# Altium PCB R2C2_Mini-ASCII.PcbDoc (part 3 of 3)
Units mm, origin at the board's own origin, x right, y up, seen from the top; angles counter-clockwise.
Board outline 100 x 100 mm, 4 copper layers (Top Layer, Mid-Layer 1, Mid-Layer 2, Bottom Layer), stack 1.572 mm thick; 230 components, 186 nets, 773 pads, 549 vias.
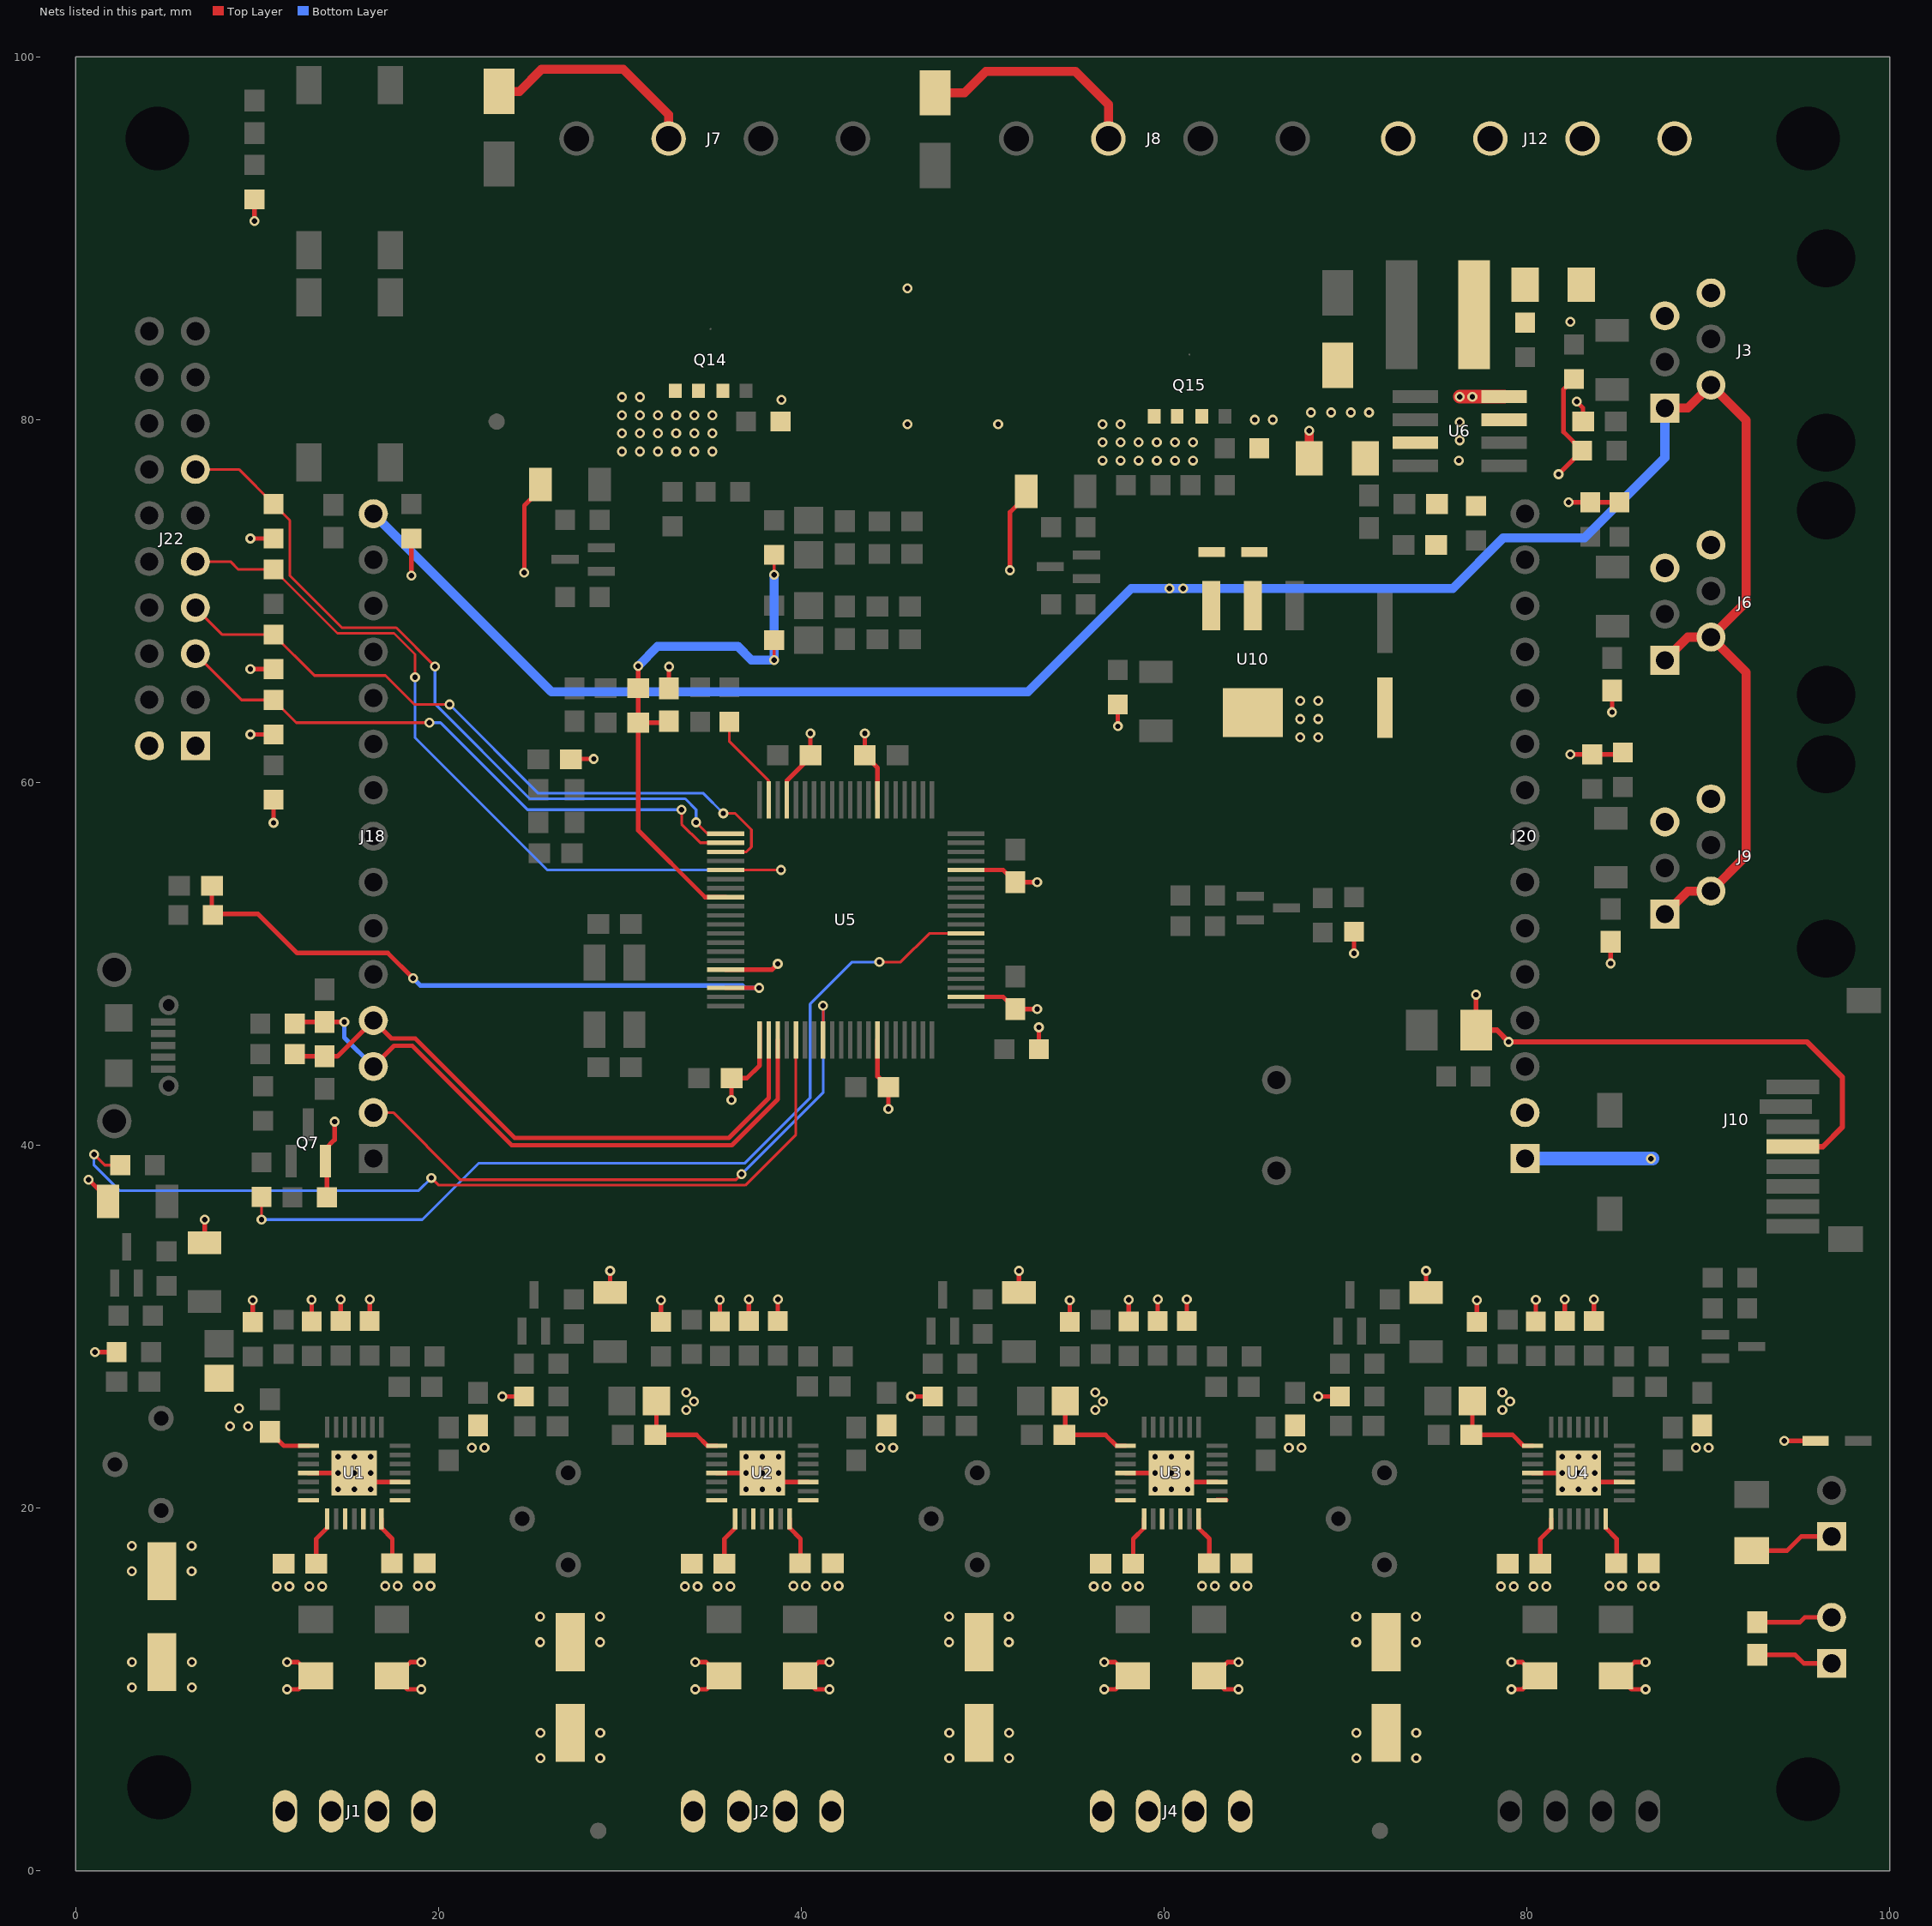
[diagram p5: the nets of this part, all layers, seen from the top]

## Via types
v1: diameter 0.55, hole 0.3, Top Layer to Bottom Layer, tented top, 513 vias
v2: diameter 0.55, hole 0.3, Top Layer to Bottom Layer, 36 vias

## Nets (pads, with @x,y where several pads share a name; then routed paths per layer and width w, separated by ;. In a path a pad name is that pad's centre, name@x,y a point inside that pad or via, vN(x,y) a via of type N, cw(c..) or ccw(c..) an arc to the next point about the centre after c; other vN are vias at no path point) (continued)
STAR_GND: C7.2 C8.1 C9.1 C10.1 C11.2 C12.2 C25.1 C26.1 C27.2 C28.1 C29.1 C31.2 C49.1 C62.1 C63.1 C67.1 C71.2 C72.2 C73.2 D12.2 J3.5 J3.6 J6.5 J6.6 J9.5 J9.6 J12.3 J12.4 J21.2 Q14.S Q15.S R5.1 R14.1 R20.1 R21.1 R22.1 R23.1 R49.1 R50.1 R51.1 R52.1 R95.1 R102.1 U1.3 U1.18 U1.29 U2.3 U2.18 U2.29 U3.3 U3.18 U3.29 U4.3 U4.18 U4.29 U6.3 U6.7 | length 54.3
  Top Layer w0.25: v1(11.65,10) 12.275,10 R21.1@13.125,10.85 ; v1(11.65,11.5) 12.25,11.5 12.962,10.788 R21.1@13.225,10.75 ; U1.18@12.825,21.925 v2(14.45,21.925) v2(15.35,21.925) 15.85,21.425 U1.3@17.875,21.425 ; v1(19.05,10) 18.275,10 17.625,10.65 17.7,10.75 18.45,11.5 v1(19.05,11.5) ; v1(34.155,10) 34.78,10 R23.1@35.63,10.85 ; v1(34.155,11.5) 34.755,11.5 35.467,10.788 R23.1@35.73,10.75 ; U2.18@35.33,21.933 U2.29@36.745,21.933 ; U2.29@38.355,21.433 U2.3@40.38,21.433 ; v1(41.555,10) 40.78,10 40.13,10.65 40.205,10.75 40.955,11.5 v1(41.555,11.5) ; v1(56.7,10) 57.325,10 R50.1@58.175,10.85 ; v1(56.7,11.5) 57.3,11.5 58.012,10.788 R50.1@58.275,10.75 ; U3.18@57.875,21.933 59.29,21.933 60.4,21.933 60.9,21.433 U3.3@62.925,21.433 ; v1(64.1,10) 63.325,10 62.675,10.65 62.75,10.75 63.5,11.5 v1(64.1,11.5) ; v1(79.145,10) 79.77,10 R52.1@80.62,10.85 ; v1(79.145,11.5) 79.745,11.5 80.457,10.788 R52.1@80.72,10.75 ; U4.18@80.32,21.933 U4.29@81.735,21.933 ; v1(82.75,81) 83.1,80.65 C71.2@83.1,79.9 ; U4.29@83.345,21.433 U4.3@85.37,21.433 ; v1(84.625,50.025) C73.2@84.625,51.225 ; v1(84.7,63.875) C72.2@84.7,65.075 ; v1(86.545,10) 85.77,10 85.12,10.65 85.195,10.75 85.945,11.5 v1(86.545,11.5) ; C62.1@92.7,13.7 95.06,13.7 95.33,13.97 J21.2@96.8,13.97
  Bottom Layer w0.25: J6.5@87.385,71.6 J6.5@87.61,71.825
  other v1: 25.61,6.2 28.91,6.2 48.155,6.2 51.455,6.2 70.6,6.2 73.9,6.2 25.61,7.6 28.91,7.6 48.155,7.6 51.455,7.6 70.6,7.6 73.9,7.6 3.095,10.108 6.395,10.108 3.095,11.508 6.395,11.508 11.075,15.675 11.775,15.675 33.58,15.675 34.28,15.675 56.125,15.675 56.825,15.675 78.57,15.675 79.27,15.675 18.85,15.7 19.55,15.7 41.355,15.7 42.055,15.7 63.9,15.7 64.6,15.7 86.345,15.7 87.045,15.7 56.6,77.75 57.6,77.75 58.6,77.75 59.6,77.75 60.6,77.75 61.6,77.75 76.25,77.75 30.1,78.25 31.1,78.25 32.1,78.25 33.1,78.25 34.1,78.25 35.1,78.25 56.6,78.75 57.6,78.75 58.6,78.75 59.6,78.75 60.6,78.75 61.6,78.75 76.3,78.865 30.1,79.25 31.1,79.25 32.1,79.25 33.1,79.25 34.1,79.25 35.1,79.25 45.85,79.75 50.85,79.75 56.6,79.75 57.6,79.75 76.3,79.865 65,80 66,80 30.1,80.25 31.1,80.25 32.1,80.25 33.1,80.25 34.1,80.25 35.1,80.25 68.1,80.4 69.2,80.4 70.3,80.4 71.3,80.4 38.9,81.1 30.1,81.25 31.1,81.25 82.4,85.4 45.85,87.25
  other v2: 14.45,21.025 15.35,21.025 16.25,21.025 36.95,21.025 37.85,21.025 38.75,21.025 59.5,21.025 60.4,21.025 61.3,21.025 81.95,21.025 82.85,21.025 83.75,21.025 16.25,21.925 36.95,21.925 37.85,21.925 38.75,21.925 59.5,21.925 60.4,21.925 61.3,21.925 81.95,21.925 82.85,21.925 83.75,21.925 14.45,22.825 15.35,22.825 16.25,22.825 36.95,22.825 37.85,22.825 38.75,22.825 59.5,22.825 60.4,22.825 61.3,22.825 81.95,22.825 82.85,22.825 83.75,22.825
TCK: J22.9 R83.2 U5.5 | length 45.1
  Top Layer w0.15: J22.9@6.59,72.18 8.52,72.18 8.95,71.75 R83.2@10.9,71.75 14.421,68.229 17.54,68.229 18.7,67.069 v1(18.7,65.8) ; U5.5@35.825,55.175 v1(38.875,55.175)
  Bottom Layer w0.15: v1(18.7,65.8) 18.7,62.462 25.987,55.175 v1(38.875,55.175)
TDI: J22.5 R75.2 U5.2 | length 34.1
  Top Layer w0.15: J22.5@6.59,67.1 9.14,64.55 R75.2@10.9,64.55 12.15,63.3 v1(19.5,63.3) ; v1(33.4,58.5) 33.4,57.7 34.425,56.675 U5.2@35.825,56.675
  Bottom Layer w0.15: v1(19.5,63.3) 20.1,63.3 24.9,58.5 25.5,58.5 ; 25.4,58.5 25.5,58.5 ; v1(33.4,58.5) 25.5,58.5
TDO: J22.13 R86.2 U5.1 | length 41
  Top Layer w0.15: J22.13@6.59,77.26 8.99,77.26 R86.2@10.9,75.35 11.8,74.45 11.8,71.4 14.667,68.533 17.667,68.533 v1(19.8,66.4) ; v1(34.2,57.8) 34.825,57.175 U5.1@35.825,57.175
  Bottom Layer w0.15: v1(19.8,66.4) 19.8,64.331 25.031,59.1 33.6,59.1 34.2,58.5 v1(34.2,57.8)
TMS: J22.7 R77.2 U5.3 | length 38.2
  Top Layer w0.15: J22.7@6.59,69.64 8.08,68.15 R77.2@10.9,68.15 13.15,65.9 17.07,65.9 18.67,64.3 v1(20.6,64.3) ; v1(35.7,58.3) 36.35,58.3 37.25,57.4 37.25,56.45 36.975,56.175 U5.3@35.825,56.175
  Bottom Layer w0.15: v1(20.6,64.3) 25.495,59.405 34.595,59.405 v1(35.7,58.3)
TXD0: R44.2 U5.79 | length 5.2
  Top Layer w0.15: R44.2@36.025,63.35 36.025,62.275 38.2,60.1 U5.79@38.2,59.05
USB_CONNECT: R76.2 U5.49 | length 49.6
  Top Layer w0.15: v1(10.239,35.9) R76.2@10.239,37.15 ; v1(44.3,50.1) 45.475,50.1 47.05,51.675 U5.49@49.075,51.675
  Bottom Layer w0.15: v1(10.239,35.9) 19.1,35.9 22.2,39 36.869,39 40.484,42.616 40.484,47.784 42.8,50.1 v1(44.3,50.1)
USB_D_N: C42.2 J18.3 R90.2 U5.23 | length 35.3
  Top Layer w0.25: R90.2@12.164,46.8 C42.2@13.714,46.8 v1(14.8,46.8) ; J18.3@16.4,44.34 17.545,45.485 18.546,45.485 24.031,40 ; 23.913,40.118 24.033,39.998 36.167,39.998 38.7,42.531 U5.23@38.7,45.8
  Bottom Layer w0.25: v1(14.8,46.8) 14.8,45.94 J18.3@16.4,44.34
USB_D_P: C68.2 J18.4 R91.2 U5.22 | length 33.6
  Top Layer w0.25: R91.2@12.189,44.9 C68.2@13.714,44.9 14.42,44.9 J18.4@16.4,46.88 17.393,45.887 18.713,45.887 24.198,40.402 24.2,40.4 36,40.4 38.2,42.6 U5.22@38.2,45.8
USB_PWR: J18.2 U5.28 | length 35
  Top Layer w0.15: J18.2@16.4,41.8 17.5,41.8 21.2,38.1 36.4,38.1 v1(36.7,38.4) ; U5.28@41.2,45.8 v1(41.2,47.7)
  Bottom Layer w0.15: v1(36.7,38.4) 41.2,42.9 v1(41.2,47.7)
USB_UP_LED: R93.1 U5.25 | length 48.4
  Top Layer w0.15: v1(1,39.5) 1.6,38.9 R93.1@2.45,38.9 ; v1(19.6,38.2) 20.005,37.795 36.907,37.795 39.7,40.588 U5.25@39.7,45.8
  Bottom Layer w0.15: v1(1,39.5) 1,38.9 2.4,37.5 18.9,37.5 v1(19.6,38.2)
USB_VBUS: C70.2 R89.2 U5.18 | length 35.3
  Top Layer w0.25: C70.2@7.5,54.3 R89.2@7.5,52.75 ; R89.2@7.55,52.7 R89.2@7.5,52.75 ; v1(18.6,49.2) 17.2,50.6 12.2,50.6 10.05,52.75 R89.2@7.5,52.75 ; U5.18@35.825,48.675 v1(37.675,48.675)
  Bottom Layer w0.25: v1(18.6,49.2) 19,48.8 36.75,48.8 36.875,48.675 v1(37.675,48.675)
V3.3: C3.2 C4.2 C5.2 C6.2 C21.2 C22.2 C23.2 C24.2 C43.2 C44.2 C45.1 C46.1 C47.1 C48.1 C57.1 C58.1 D2.2 D3.2 D5.2 D6.2 D8.2 D9.2 D10.2 D19.2 J10.4 J20.2 J22.1 J22.2 L5.1 L7.1 Q7.2 R1.2 R2.2 R3.2 R6.2 R7.2 R8.2 R9.2 R12.2 R13.2 R15.2 R18.2 R19.2 R30.2 R31.2 R32.2 R35.2 R36.2 R37.2 R38.2 R41.2 R42.2 R45.2 R47.2 R48.2 R64.2 R72.1 R74.2 R75.1 R77.1 R85.2 R86.1 R97.2 R98.2 R103.2 R104.2 R115.1 U1.15 U2.15 U3.15 U4.15 U5.16 U5.21 U5.34 U5.42 U5.56 U5.67 U5.77 U10.2 | length 149.4
  Top Layer w0.25: v1(0.7,38.1) 1.775,37.025 D10.2@1.775,36.9 ; v1(1.05,28.6) R18.2@2.25,28.6 ; D2.2@7.1,34.625 v1(7.1,35.9) ; v1(9.625,62.65) R75.1@10.9,62.65 ; v1(9.625,66.25) R77.1@10.9,66.25 ; v1(9.625,73.45) R86.1@10.9,73.45 ; R6.2@9.75,30.25 v1(9.75,31.45) ; v1(9.85,90.95) R74.2@9.85,92.15 ; C3.2@10.7,24.2 11.467,23.433 U1.15@12.825,23.433 ; v1(10.9,57.775) R72.1@10.9,59.05 ; R3.2@13,30.283 v1(13,31.483) ; Q7.2@13.764,39.125 13.764,39.8 14.264,40.3 v1(14.264,41.3) ; R15.2@13.839,37.125 Q7.2@13.839,39.05 ; R2.2@14.6,30.308 v1(14.6,31.508) ; R1.2@16.2,30.308 v1(16.2,31.508) ; v1(18.5,71.4) R103.2@18.5,73.45 ; v1(23.504,26.15) R19.2@24.704,26.15 ; v1(24.725,71.575) 24.725,75.275 D9.2@25.625,76.175 ; D9.2@25.4,76.2 D9.2@25.625,76.425 D9.2@25.625,76.125 ; L5.1@27.355,61.3 v1(28.555,61.3) ; D3.2@29.454,31.875 v1(29.454,33.075) ; C5.2@31.955,24.033 34.222,24.033 34.822,23.433 U2.15@35.33,23.433 ; C5.2@32.005,24.083 C6.2@32.005,25.9 ; R12.2@32.255,30.258 v1(32.255,31.458) ; L7.1@32.7,65.18 v1(32.7,66.38) ; R9.2@35.505,30.283 v1(35.505,31.483) ; U5.16@35.825,49.675 38.375,49.675 v1(38.7,50) ; v1(36.15,42.5) C46.1@36.15,43.7 37,43.7 37.7,44.4 U5.21@37.7,45.8 ; R8.2@37.105,30.308 v1(37.105,31.508) ; U5.21@37.7,45 U5.21@37.7,45.8 ; U5.21@37.7,46.7 U5.21@37.7,45.8 ; R7.2@38.705,30.308 v1(38.705,31.508) ; U5.77@39.2,59.05 39.2,60.1 40.5,61.4 C45.1@40.5,61.5 v1(40.5,62.7) ; v1(43.5,62.7) C48.1@43.5,61.5 44.2,60.8 U5.67@44.2,59.05 ; U5.34@44.2,45.8 44.2,43.8 C44.2@44.8,43.2 v1(44.8,42) ; v1(46.049,26.15) R47.2@47.249,26.15 ; U5.42@49.075,48.175 51.125,48.175 C47.1@51.8,47.5 v1(53,47.5) ; U5.56@49.075,55.175 51.125,55.175 C43.2@51.8,54.5 v1(53,54.5) ; v1(51.5,71.7) 51.5,74.9 52.4,75.8 D8.2@52.4,76.05 ; D5.2@51.999,31.875 v1(51.999,33.075) ; R115.1@53.1,45.3 v1(53.1,46.5) ; C21.2@54.5,24.033 56.767,24.033 57.367,23.433 U3.15@57.875,23.433 ; C21.2@54.55,24.083 C22.2@54.55,25.9 ; R35.2@54.8,30.258 v1(54.8,31.458) ; v1(57.45,63.1) R98.2@57.45,64.3 ; R32.2@58.05,30.283 v1(58.05,31.483) ; R31.2@59.65,30.308 v1(59.65,31.508) ; R30.2@61.25,30.308 v1(61.25,31.508) ; v1(68.494,26.15) R48.2@69.694,26.15 ; v1(70.475,50.575) R85.2@70.475,51.775 ; D6.2@74.444,31.875 v1(74.444,33.075) ; C24.2@76.995,25.9 76.995,24.083 C23.2@76.945,24.033 79.212,24.033 79.812,23.433 U4.15@80.32,23.433 ; C57.1@77.202,46.348 v1(77.202,48.298) ; R41.2@77.245,30.258 v1(77.245,31.458) ; R38.2@80.495,30.283 v1(80.495,31.483) ; v1(81.75,77) R64.2@83.05,78.3 82.027,79.323 82.027,81.677 R13.2@82.6,82.25 ; R37.2@82.095,30.308 v1(82.095,31.508) ; v1(82.3,75.45) R97.2@83.5,75.45 R42.2@85.1,75.45 ; v1(82.4,61.55) R45.2@83.6,61.55 85.2,61.55 R104.2@85.3,61.65 ; R36.2@83.695,30.308 v1(83.695,31.508)
  Top Layer w0.3: C57.1@77.202,46.348 78.352,46.348 v1(79,45.7) 95.45,45.7 97.4,43.75 97.4,41 96.325,39.925 J10.4@94.675,39.925
  other v1: 8.5,24.5 9.5,24.5 33.66,25.4 56.205,25.4 78.65,25.4 9,25.5 34.085,25.875 56.63,25.875 79.075,25.875 33.66,26.375 56.205,26.375 78.65,26.375 67.5,62.5 68.5,62.5 67.5,63.5 68.5,63.5 67.5,64.5 68.5,64.5
V5: C63.2 D19.1 J3.1 J3.2 J6.1 J6.2 J9.1 J9.2 J18.15 L13.2 R101.2 U10.3 | length 123.7
  Top Layer w0.5: J9.1@87.61,52.745 88.88,54.015 J9.2@90.15,54.015 92.1,55.965 92.1,66.065 J6.2@90.15,68.015 ; J6.1@87.61,66.745 88.88,68.015 J6.2@90.15,68.015 ; J3.1@87.61,80.645 88.88,80.645 J3.2@90.15,81.915 92.1,79.965 92.1,69.965 J6.2@90.15,68.015
  Bottom Layer w0.5: J18.15@16.4,74.82 26.22,65 52.5,65 58.2,70.7 v1(61.05,70.7) 75.915,70.7 78.698,73.482 81,73.482 81.29,73.482 83.182,73.482 87.61,77.91 J3.1@87.61,80.645
  other v1: 60.3,70.7
VA3.3: C53.2 C54.2 L7.2 R59.2 R60.2 U5.8 | length 32.2
  Top Layer w0.15: v1(38.5,66.75) R60.2@38.5,67.85 ; v1(38.5,71.45) R59.2@38.5,72.55
  Top Layer w0.25: C53.2@31,65.2 C54.2@31,63.3 ; C53.2@31,65.225 v1(31,66.425) ; L7.2@32.62,63.3 C54.2@31,63.3 ; U5.8@35.825,53.675 34.694,53.675 31,57.369 C54.2@31,63.3
  Bottom Layer w0.5: v1(31,66.425) 32.075,67.5 36.5,67.5 37.25,66.75 v1(38.5,66.75) v1(38.5,71.45)
VMM: C7.1 C8.2 C9.2 C10.2 C11.1 C12.1 C13.2 C14.2 C25.2 C26.2 C27.1 C28.2 C29.2 C30.2 C31.1 C32.2 C41.2 C49.2 C62.2 D15.1 D16.1 D20.1 J7.3 J8.3 J12.1 J12.2 J20.1 J21.1 J24.1 U1.22 U1.28 U2.22 U2.28 U3.22 U3.28 U4.22 U4.28 U6.8 | length 68.5
  Top Layer w0.25: C8.2@13.25,16.925 13.25,18.3 13.85,18.9 U1.22@13.85,19.408 ; U1.28@16.85,19.408 16.85,18.9 17.45,18.3 17.45,16.975 C7.1@17.425,16.95 ; C9.2@35.755,16.925 35.755,18.3 36.355,18.9 U2.22@36.355,19.408 ; U2.28@39.355,19.408 39.355,18.9 39.955,18.3 39.955,16.975 C10.2@39.93,16.95 ; C25.2@58.3,16.925 58.3,18.3 58.9,18.9 U3.22@58.9,19.408 ; U3.28@61.9,19.408 61.9,18.9 62.5,18.3 62.5,16.975 C26.2@62.475,16.95 ; C29.2@80.745,16.925 80.745,18.3 81.345,18.9 U4.22@81.345,19.408 ; U4.28@84.345,19.408 84.345,18.9 84.945,18.3 84.945,16.975 C28.2@84.92,16.95 ; C41.2@92.4,17.65 94.35,17.65 95.13,18.43 J24.1@96.8,18.43 ; C62.2@92.7,11.9 94.8,11.9 95.27,11.43 J21.1@96.8,11.43 ; v1(94.2,23.7) D20.1@95.925,23.7
  Top Layer w0.5: D16.1@23.325,98.1 24.45,98.1 25.675,99.325 30.175,99.325 32.685,96.815 J7.3@32.685,95.5 ; D15.1@47.375,98.025 48.995,98.025 50.17,99.2 55.105,99.2 56.93,97.375 J8.3@56.93,95.5 ; C49.2@68,77.875 v1(68,79.4)
  Top Layer w0.75: v1(76.3,81.27) U6.8@78.75,81.27 ; J20.1@79.9,39.26 J20.1@79.909,39.269
  Bottom Layer w0.75: J20.1@79.9,39.26 v1@86.94,39.26
  other v1: 25.6,12.6 28.9,12.6 48.145,12.6 51.445,12.6 70.59,12.6 73.89,12.6 25.6,14 28.9,14 48.145,14 51.445,14 70.59,14 73.89,14 12.875,15.675 13.575,15.675 35.38,15.675 36.08,15.675 57.925,15.675 58.625,15.675 80.37,15.675 81.07,15.675 17.05,15.7 17.75,15.7 39.555,15.7 40.255,15.7 62.1,15.7 62.8,15.7 84.545,15.7 85.245,15.7 3.085,16.508 6.385,16.508 3.085,17.908 6.385,17.908 21.83,23.325 22.53,23.325 44.356,23.325 45.056,23.325 66.88,23.325 67.58,23.325 89.325,23.325 90.025,23.325 86.84,39.26 77,81.27
X_MOTOR_1A: J1.2 U1.24
X_MOTOR_1B: J1.1 U1.21
X_MOTOR_2A: J1.3 U1.26
X_MOTOR_2B: J1.4 U1.1
Y_MOTOR_1A: J2.2 U2.24
Y_MOTOR_1B: J2.1 U2.21
Y_MOTOR_2A: J2.3 U2.26
Y_MOTOR_2B: J2.4 U2.1
Z_MOTOR_1A: J4.2 U3.24
Z_MOTOR_1B: J4.1 U3.21 | length 0.5
  Top Layer w0.2: U3.21@57.382,20.433 U3.21@57.875,20.433
Z_MOTOR_2A: J4.3 U3.26
Z_MOTOR_2B: J4.4 U3.1 | length 0.5
  Top Layer w0.25: U3.1@62.925,20.433 U3.1@63.416,20.433
pads on no net: J3. J6. J9. J10.1 J10.8 J10.9@98.575,47.975 J11.5@4.814,44.2 J20.15 J22.11 J22.17 J22.19 MH1.0 MH2.0 MH3.0 MH4.0 U1.7 U1.20 U1.25 U2.7 U2.20 U2.25 U3.7 U3.20 U3.25 U4.7 U4.20 U4.25 U5.11 U5.13 U5.15 U6.2 U6.6 X2.2 X2.4

## Polygon pours and split planes (outlines as drawn)
STAR_GND on Mid-Layer 1 "Star_GND" (solid, remove dead copper, pour order 1006): 26.5,99.6 26.5,81.25 30.75,77 50.65,77 69.55,77 74.5,77 82.8,77 83.9,75.9 83.865,40.268 89.6,34.533 89.6,26.6 86.8,23.8 81.4,23.8 72.8,15.2 71.2,15.2 62.2,24.2 58.7,24.2 50,15.5 48.7,15.5 40,24.2 36.9,24.2 28.2,15.5 26.2,15.5 17.4,24.3 11.4,24.3 5.7,18.6 0,18.6 0,0 100,0 100,100 26.9,100
GND_A on Mid-Layer 1 "GND_A" (solid, remove dead copper, pour order 1005): 37.675,75.25 31.25,68.25 26.5,68.25 26.5,65.75 48,65.75 48,75.25 45.75,75.25
GND on Mid-Layer 1 "gnd mid 1" (solid, remove dead copper, pour order 1009): 0,0 100,0 100,100 0,100 0,0
STAR_GND on Top Layer "Top-Star_GND" (solid, remove dead copper, pour order 1016): 26.5,99.6 26.5,81.25 30.35,77.4 82.25,77.4 83.9,75.7 83.865,40.268 89.6,34.533 89.6,26.6 86.8,23.8 79,23.8 76.6,21.4 76.6,19.025 72.775,15.2 71.2,15.2 62.2,24.2 58.7,24.2 50,15.5 48.7,15.5 40,24.2 36.9,24.2 28.2,15.5 26.2,15.5 17.4,24.3 11.4,24.3 5.7,18.6 0,18.6 0,0 100,0 100,100 26.9,100
V3.3 on Top Layer "Top Layer-No Net" (solid, pour order 1003): 64,73.3 64.4,73.7 66.1,73.7 66.5,73.3 66.5,71.6 65.8,70.9 65.8,67.8 67.6,66 69.1,66 69.8,66.7 74.9,66.7 75.8,65.8 75.8,63.1 74.8,62.1 67.6,62.1 67.1,61.6 62.9,61.6 62.4,62.1 62.4,66.2 64,67.8
V5 on Top Layer "Top Layer-No Net" (solid, pour order 1002): 60.338,73.5 59.6,72.8 59.6,68.4 60.232,67.8 63.078,67.8 63.5,68.2 63.5,73 62.973,73.5
STAR_GND on Top Layer "Top-Star_GND" (solid, pour order 1004): 75.5,80.5 76.75,80.5 78.5,80.5 80.25,80.5 80.5,80.25 80.5,79.75 80.25,79.5 79.5,79.5 77.5,79.5 77.25,79.25 77.25,77.25 77.25,77 77.75,76.5 78.25,76 78.25,75.75 78.25,74.75 78,74.5 76.25,74.5 76,74.25 76,73.5 76,72.5 75.75,72.25 74.75,72.25 74.5,72.25 74.25,72.5 74.25,76 75.25,77 75.25,78 75,78.25 73,78.25 72.75,78.25 72.5,78.5 72.5,79 72.75,79.25 74.75,79.25 75,79.25 75.25,79.5 75.25,80.25 75.5,80.5
V5 on Top Layer "top-5V" (solid, pour order 1000): 75.75,84 75.75,90 77.25,91.5 80,91.5 91.75,91.5 93.5,89.75 93.5,87.75 93.5,83.5 90.5,80.5 89.75,80.5 88.75,81.5 88.75,82.25 89.5,83 89.75,83.25 90.5,83.25 91.5,84.25 91.5,86.75 91.5,88.25 90.25,89.5 82,89.5 81.25,88.75 81.25,85.75 81.25,85.5 80.25,84.5 79,84.5 78.5,84 78.5,83 78,82.5 76.5,82.5 76.25,82.5 75.75,83 75.75,84
GND on Top Layer "gnd top" (solid, remove dead copper, pour order 1017): 0,100 0,0 100,0 100,100
VMM on Top Layer "vmm_cap" (solid, remove dead copper, pour order 1014): 5.685,14.408 6.985,15.708 6.985,18.408 6.485,18.908 2.985,18.908 2.485,18.408 2.485,15.708 3.785,14.408
VMM on Top Layer "vmm_cap" (solid, remove dead copper, pour order 1013): 73.19,10.5 74.49,11.8 74.49,14.5 73.99,15 70.49,15 69.99,14.5 69.99,11.8 71.29,10.5
VMM on Top Layer "vmm_cap" (solid, remove dead copper, pour order 1012): 50.745,10.5 52.045,11.8 52.045,14.5 51.545,15 48.045,15 47.545,14.5 47.545,11.8 48.845,10.5
VMM on Top Layer "vmm_cap" (solid, remove dead copper, pour order 1011): 28.2,10.5 29.5,11.8 29.5,14.5 29,15 25.5,15 25,14.5 25,11.8 26.3,10.5
NetD12_1 on Top Layer "top-D12" (solid, pour order 1001): 74.5,89.25 74,89.75 68.5,89.75 67.75,89 67.75,85.75 68.5,85 71.25,85 71.75,84.5 71.75,81.5 72.5,80.75 75,80.75 75.5,81.25 75.5,82 74.5,82.75
STAR_GND on Bottom Layer "Star_GND" (solid, remove dead copper, pour order 1007): 26.5,99.6 26.5,81.25 35.45,72.3 69.667,72.3 78.467,81.1 81.033,81.1 83.865,78.268 83.865,40.268 89.6,34.533 89.6,26.6 86.8,23.8 81.4,23.8 72.8,15.2 71.2,15.2 62.2,24.2 58.7,24.2 50,15.5 48.7,15.5 40,24.2 36.9,24.2 28.2,15.5 26.2,15.5 17.4,24.3 11.4,24.3 5.7,18.6 0,18.6 0,0 100,0 100,100 26.9,100
GND on Bottom Layer "gnd bot" (solid, remove dead copper, pour order 1015): 0,100 0,0 100,0 100,100 0,100
V3.3 on Mid-Layer 2 "v3.3 mid 3" (solid, remove dead copper, pour order 1008): 82.7,76.8 83.7,75.8 83.7,40.2 86.2,37.7 86.2,30.1 81.2,24.3 0.442,24.3 0.41,24.332 0.41,98.99 0.4,99 0.4,99.6 7.5,99.6 15.1,92 15.1,76.5 19.4,72.2 69.8,72.2 74.4,76.8
VMM on Mid-Layer 2 "mid-VMM" (solid, remove dead copper, pour order 1010): 0,100 0,0 99.9,0 100,0.1 100,100

## Keep-outs
Keep-Out Layer:
  the board outline again, w0.5

## Other copper
Top Layer:
  text ".layer_Name" at -6.3,-19.125 h3
Mid-Layer 1:
  rectangle net STAR_GND: 66.475,76.975 69.775,78.075
  rectangle net GND: 66.475,75.9 69.775,77
  rectangle net STAR_GND: 71,94 80,97
  text ".layer_Name" at -5.825,-19.125 h3
Mid-Layer 2:
  text ".layer_Name" at -5.825,-19.125 h3
Bottom Layer:
  text ".layer_Name" at -5.65,-19.2 h3

## Silkscreen, mask and mechanical layers (free items; w line width, h text height)
Top Overlay:
  text "-" at 72.4,91 h1.4 r180
  text "-" at 75.2,91 h1.4 r180
  text "-" at 77.6,91 h1.4 r180
  text "+" at 80.5,90.7 h1.4 r180
  text "+" at 82.8,90.7 h1.4 r180
  text "+" at 85.3,90.7 h1.4 r180
  text "Reset" at 20.9,89.8 h2 r90
  text "- RL +       NTC" at 27,89.5 h1
  text "- RL +        NTC" at 49.5,89.5 h1
  text "Bed" at 34,88.5 h1.4
  text "Extruder" at 54.9,87.4 h1.4
  text "X" at 85.9,87.4 h1.5 r90
  text "Boot" at 20.8,79 h2 r90
  text "Y" at 83,70.5 h1.5 r90
  text "Z" at 83.25,56.75 h1.5 r90
  text "R2C2 MINI" at 20.097,35.651 h2
  text "X" at 21.5,0.5 h4
  text "Y" at 43.8,0.5 h4
  text "Z" at 66.5,0.5 h4
  text "E" at 73.9,0.5 h4
  text ".layer_Name" at -5.825,-19.125 h3
Bottom Overlay:
  text "-" at 28.255,92.5 h1.52
  text "+" at 33.255,92.5 h1.52
  text "-" at 52.5,92.5 h1.52
  text "+" at 57.5,92.5 h1.52
  text "-" at 73.555,92.5 h1.52
  text "-" at 78.555,92.5 h1.52
  text "+" at 83.715,92.5 h1.52
  text "+" at 88.715,92.5 h1.52
  text "Power In" at 85.25,89.95 h1.52
  text "Extruder" at 64.075,89.85 h1.52
  text "Heat Bed" at 40.525,89.7 h1.52
  text "Based On" at 52.575,55.125 h1.52
  text "R2C2" at 53.85,47.55 h10
  text "by FMendes75@gmail.com" at 53.85,44.25 h1.5
  text "www.3dprinting-r2c2.com" at 53.85,42.85 h1.5
  text "Creative Commons BY-NC-SA" at 53.85,41.45 h1.5
  text "Re-Designed by" at 56.3,38.3 h1.52
  text "Bryan Lambrecht" at 56.4,35.5 h1.52
  text "Bryan.lambrecht@gmail.com" at 64.1,32.8 h1.52
  text ".layer_Name" at -5.825,-19.125 h3
Top Paste:
  text ".layer_Name" at -5.925,-19.125 h3
Bottom Paste:
  text ".layer_Name" at -5.925,-19.025 h3
Top Solder:
  text ".layer_Name" at -5.925,-19.125 h3
Bottom Solder:
  text ".layer_Name" at -5.75,-19.2 h3
board_outline:
  the board outline again, w0.254
  text ".layer_Name" at -5.825,-18.55 h3
title_block:
  lines w0.025: -23.689,-29.77 ccw(c-16.069,-29.77) -16.069,-37.39 ; -23.689,-29.77 ccw(c-16.069,-29.77) -16.069,-37.39 ; -23.689,-29.77 -23.689,-14.53 ; -23.689,-29.77 -23.689,-14.53 ; -23.689,-14.53 cw(c-16.069,-14.53) -16.069,-6.91 ; -23.689,-14.53 cw(c-16.069,-14.53) -16.069,-6.91 ; -23.689,-14.53 128.711,-14.53 ; -23.689,-14.53 128.711,-14.53 ; -16.069,-37.39 121.091,-37.39 ; -16.069,-37.39 121.091,-37.39 ; -16.069,-6.91 121.091,-6.91 ; -16.069,-6.91 121.091,-6.91 ; 121.091,-37.39 ccw(c121.091,-29.77) 128.711,-29.77 ; 121.091,-37.39 ccw(c121.091,-29.77) 128.711,-29.77 ; 121.091,-6.91 cw(c121.091,-14.53) 128.711,-14.53 ; 121.091,-6.91 cw(c121.091,-14.53) 128.711,-14.53 ; 128.711,-29.77 128.711,-14.53 ; 128.711,-29.77 48.701,-29.77 128.711,-29.77 ; 128.711,-29.77 128.711,-14.53 ; -23.689,-22.15 128.711,-22.15 -23.689,-22.15 ; 35.366,-14.53 35.366,-6.91 35.366,-14.53 ; 48.701,-37.39 48.701,-22.15 48.701,-37.39 ; 84.261,-22.15 84.261,-14.53 84.261,-22.15 ; 89.341,-37.39 89.341,-29.77 89.341,-37.39 ; 116.646,-22.15 116.646,-14.53 116.646,-22.15
  text "PWB, R2C2 MINI" at 64.009,-12.089 h3
  text "CUST PART NUMBER" at 89.262,-16.816 h1.6
  text "REV" at 120.442,-16.816 h1.6
  text "LAYER:" at -21.784,-19.61 h2.54
  text "A" at 121.447,-20.529 h2.54
  text "R2C2 MINI" at 92,-20.75 h2.4
  text "R2C2" at 23,-30.5 h10
  text "DATE" at 107.102,-32.183 h1.6
  text "8/22/2015" at 98.231,-36.12 h2.54
Mechanical 11:
  lines w1.553: 11.535,2.775 11.535,3.775 ; 14.075,2.775 14.075,3.775 ; 16.615,2.775 16.615,3.775 ; 19.155,2.775 19.155,3.775 ; 34.04,2.775 34.04,3.775 ; 36.58,2.775 36.58,3.775 ; 39.12,2.775 39.12,3.775 ; 41.66,2.775 41.66,3.775 ; 79.03,2.775 79.03,3.775 ; 81.57,2.775 81.57,3.775 ; 84.11,2.775 84.11,3.775 ; 86.65,2.775 86.65,3.775
Mechanical 13:
  drawing of 193 lines, arcs and shapes, not listed
  text "DWG. NO." at 202.475,178.285 h1.27
  text "REV." at 241.845,178.285 h1.27
  text "R2C2-MINI-ASY" at 203.023,175.19 h2.3
  text "A" at 244.055,175.11 h2.41
  text "8" at -81.599,175.047 h3.96
  text "7" at -30.799,175.047 h3.96
  text "6" at 20.001,175.047 h3.96
  text "5" at 70.801,175.047 h3.96
  text "4" at 121.601,175.047 h3.96
  text "3" at 172.401,175.047 h3.96
  text "1" at 274.001,175.047 h3.96
  text "REVISIONS" at 253.275,170.665 h1.27
  text "REV" at 217.715,166.855 h1.27
  text "DESCRIPTION" at 239.94,166.855 h1.27
  text "APPROVED" at 275.5,166.855 h1.27
  text "DATE" at 292.01,166.855 h1.27
  text "8/22/2015" at 289.273,163.965 h1.27
  text "A" at 219.112,163.68 h1.27
  text "INITIAL RELEASE" at 222.795,163.68 h1.27
  text "D" at -108.906,140.757 h3.96
  text "D" at 301.306,140.757 h3.96
  text "C" at -108.906,77.257 h3.96
  text "C" at 301.306,77.257 h3.96
  text "DWG. NO." at 304.71,31.6 h1.27 r270
  text "R2C2-MINI-ASY" at 301.723,30.44 h2.3 r270
  text "B" at -108.906,13.756 h3.96
  text "REV." at 304.71,-7.77 h1.27 r270
  text "A" at 301.535,-10.31 h2.41 r270
  text "UNLESS OTHERWISE SPECIFIED" at 171.36,-39.52 h1.27
  text "PROJECT:" at 207.555,-39.52 h1.27
  text "DIMENSIONS ARE IN MILLIMETER." at 171.36,-41.425 h1.27
  text "TOLERANCES ARE:" at 171.36,-43.965 h1.27
  text "FRACTIONS DECIMALS  ANGLES" at 171.995,-46.505 h1.27
  text "APPROVALS" at 210.73,-47.775 h1.27
  text "DATE" at 229.145,-47.775 h1.27
  text "+" at 188.919,-49.081 h1.27
  text "+" at 188.919,-49.081 h1.27
  text ".XX      0.01" at 183.425,-49.68 h1.27
  text "-" at 188.919,-49.68 h1.27
  text "-" at 188.919,-49.68 h1.27
  text "A" at -108.906,-49.743 h3.96
  text "A" at 301.306,-49.743 h3.96
  text "O" at 204.38,-50.315 h0.64
  text "O" at 204.38,-50.315 h0.64
  text "DRAWN BY:" at 207.555,-50.315 h1.27
  text "+" at 173.661,-50.986 h1.27
  text "+" at 173.661,-50.986 h1.27
  text "+" at 188.919,-50.98 h1.27
  text "+" at 188.919,-50.98 h1.27
  text "+" at 199.12,-50.986 h1.27
  text "+" at 199.12,-50.986 h1.27
  text "-" at 173.661,-51.585 h1.27
  text "-" at 173.661,-51.585 h1.27
  text "N/A" at 175.805,-51.585 h1.27
  text ".XXX     0.005" at 183.425,-51.585 h1.27
  text "-" at 188.919,-51.58 h1.27
  text "-" at 188.919,-51.58 h1.27
  text "-" at 199.12,-51.585 h1.27
  text "-" at 199.12,-51.585 h1.27
  text "0.5" at 200.57,-51.585 h1.27
  text "TITLE:" at 236.765,-52.22 h1.27
  text "8/22/2015" at 225.843,-53.236 h1.27
  text "MATERIAL:" at 171.36,-54.76 h1.27
  text "PWA DRAWING," at 254.426,-56.03 h3.2
  text "CHECKED:" at 207.555,-58.57 h1.27
  text "R2C2 MINI" at 257.024,-61.637 h2.54
  text "APPROVED:" at 207.555,-64.285 h1.27
  text "SIZE:" at 236.765,-65.555 h1.27
  text "DRAWING NO:" at 251.37,-65.555 h1.27
  text "REV:" at 293.915,-65.555 h1.27
  text "FINISH:" at 171.36,-66.825 h1.27
  text "THIRD ANGLE" at 130.72,-69.365 h1.27
  text "ISSUED:" at 207.555,-70 h1.27
  text "PROJECTION" at 131.355,-71.27 h1.27
  text "B" at 238.67,-71.905 h3.2
  text "A" at 295.81,-71.905 h3.2
  text "R2C2-MINI-ASY" at 253.543,-72.143 h3.2
  text "NEXT ASSY" at 145.96,-76.35 h1.27
  text "USED ON" at 159.93,-76.35 h1.27
  text "1/1" at 246.29,-78.255 h1.27
  text "SHEET:   OF" at 283.12,-78.255 h1.27
  text "1" at 290.105,-78.255 h1.27
  text "1" at 298.487,-78.255 h1.27
  text "SCALE:" at 236.511,-78.437 h1.27
  text "APPLICATION" at 150.405,-78.89 h1.27
  text "DO NOT SCALE DRAWING" at 178.98,-78.89 h1.27
  text "8" at -81.599,-84.034 h3.96
  text "7" at -30.799,-84.034 h3.96
  text "6" at 20.001,-84.034 h3.96
  text "5" at 70.801,-84.034 h3.96
  text "4" at 121.601,-84.034 h3.96
  text "3" at 172.401,-84.034 h3.96
  text "2" at 223.201,-84.034 h3.96
  text "1" at 274.001,-84.669 h3.96
Drill Drawing:
  drawing of 705 lines, arcs and shapes, not listed
  text "DWG. NO." at 202.475,178.285 h1.27
  text "REV." at 241.845,178.285 h1.27
  text "R2C2-MINI-FAB" at 203.023,175.19 h2.3
  text "A" at 244.055,175.11 h2.41
  text "8" at -81.599,175.047 h3.96
  text "7" at -30.799,175.047 h3.96
  text "6" at 20.001,175.047 h3.96
  text "5" at 70.801,175.047 h3.96
  text "4" at 121.601,175.047 h3.96
  text "3" at 172.401,175.047 h3.96
  text "1" at 274.001,175.047 h3.96
  text "REVISIONS" at 253.275,170.665 h1.27
  text "REV" at 217.715,166.855 h1.27
  text "DESCRIPTION" at 239.94,166.855 h1.27
  text "APPROVED" at 275.5,166.855 h1.27
  text "DATE" at 292.01,166.855 h1.27
  text "8/22/2015" at 289.273,163.965 h1.27
  text "A" at 219.112,163.68 h1.27
  text "INITIAL RELEASE" at 222.795,163.68 h1.27
  text "Symbol" at -85.814,161.843 h1.83
  text "Hit Count" at -72.965,161.843 h1.83
  text "Finished Hole Size" at -55.24,161.843 h1.83
  text "Plated" at -21.062,161.843 h1.83
  text "Hole Type" at -8.213,161.843 h1.83
  text "2" at -72.965,158.033 h1.52
  text "0.650mm (25.59mil)" at -55.24,158.033 h1.52
  text "PTH" at -21.062,158.033 h1.52
  text "Round" at -8.213,158.033 h1.52
  text "2" at -72.965,154.223 h1.52
  text "1.300mm (51.18mil)" at -55.24,154.223 h1.52
  text "PTH" at -21.062,154.223 h1.52
  text "Round" at -8.213,154.223 h1.52
  text "4" at -72.965,150.413 h1.52
  text "3.500mm (137.80mil)" at -55.24,150.413 h1.52
  text "NPTH" at -21.062,150.413 h1.52
  text "Round" at -8.213,150.413 h1.52
  text "6" at -72.965,146.603 h1.52
  text "3.200mm (125.98mil)" at -55.24,146.603 h1.52
  text "NPTH" at -21.062,146.603 h1.52
  text "Round" at -8.213,146.603 h1.52
  text "12" at -72.965,142.793 h1.52
  text "0.800mm (31.50mil)" at -55.24,142.793 h1.52
  text "PTH" at -21.062,142.793 h1.52
  text "Round" at -8.213,142.793 h1.52
  text "D" at -108.906,140.757 h3.96
  text "D" at 301.306,140.757 h3.96
  text "NOTES: UNLESS OTHERWISE SPECIFIED" at 173.313,139.77 h1.6
  text "12" at -72.965,138.983 h1.52
  text "1.400mm (55.12mil)" at -55.24,138.983 h1.52
  text "PTH" at -21.062,138.983 h1.52
  text "Round" at -8.213,138.983 h1.52
  text "1.  INTERPRET THIS DRAWING IN ACCORDANCE WITH IPC-D-325A." at 173.313,135.96 h1.6
  text "16" at -72.965,135.173 h1.52
  text "1.100mm (43.31mil)" at -55.24,135.173 h1.52
  text "PTH" at -21.062,135.173 h1.52
  text "Round" at -8.213,135.173 h1.52
  text "2.  BOARD FABRICATION AND QUALITY PER IPC-6012, CLASS 2," at 173.313,132.785 h1.6
  text "74" at -72.965,131.363 h1.52
  text "1.000mm (39.37mil)" at -55.24,131.363 h1.52
  text "PTH" at -21.062,131.363 h1.52
  text "Round" at -8.213,131.363 h1.52
  text "EXCEPT AS SPECIFIED HEREIN." at 179.663,130.245 h1.6
  text "549" at -72.965,127.553 h1.52
  text "0.300mm (11.81mil)" at -55.24,127.553 h1.52
  text "PTH" at -21.062,127.553 h1.52
  text "Round" at -8.213,127.553 h1.52
  text "3.  DIMENSIONAL LIMITS APPLY AFTER PLATING OR COATING." at 173.313,127.07 h1.6
  text "4.  BOARD THICKNESS SHALL BE 1.57 +/-10%." at 173.313,123.895 h1.6
  text "677 Total" at -72.965,123.743 h1.52
  text "5.  BOW AND TWIST MAXIMUM 1.0%." at 173.313,120.72 h1.6
  text "6.  ALL HOLES SHALL BE LOCATED WITHIN 0.200 DIAMETER OF" at 173.313,117.545 h1.6
  text "TRUE POSITION OF LOCATION SHOWN." at 179.663,115.005 h1.6
  text "7   MATERIAL: METAL CLAD EPOXY LAMINATE PER IPC-4101A, (170 DEGREES C MIN. Tg)," at 173.313,111.83 h1.6
  text "UL 94V-0. ELECTRODEPOSITED COPPER FOIL, COPPER WEIGHT PER STACKUP DRAWING." at 178.045,109.675 h1.6
  text "8   MATERIAL: SILKSCREEN PER SUPPLIED ARTWORK WITH WHITE EPOXY" at 173.313,106.115 h1.6
  text "INK. SILKSCREEN MAY BE TRIMMED OFF ANY SOLDERED ENTITY." at 179.663,103.575 h1.6
  text "9.  NUMBER OF LAYERS: 4 PER SUPPLIED ARTWORK." at 173.313,100.4 h1.6
  text "A. DEFAULT TRACE/SPACE OUTER LAYERS = 0.15/0.15" at 177.123,97.225 h1.6
  text "B. DEFAULT TRACE/SPACE INNER LAYERS = 0.15/0.15" at 177.123,94.05 h1.6
  text "C. CONDUCTOR WIDTH TOLERANCE +/- .025" at 177.123,90.875 h1.6
  text "10. COPPER PLATE HOLES MINIMUM .025 AVG, .020 MIN.. HOLES MAY NOT BE" at 173.313,87.7 h1.6
  text "PLUGGED, EXCEPT VIAS .400 FINISH OR SMALLER." at 179.663,85.16 h1.6
  text "11  FINISH: THIS BOARD SHALL BE IMMERSION GOLD PLATED ACCORDING TO IPC-6012." at 173.186,82.036 h1.6
  text "THICKNESS SHALL BE .050uM OVER 3-6uM NICKEL." at 179.536,79.496 h1.6
  text "C" at -108.906,77.257 h3.96
  text "C" at 301.306,77.257 h3.96
  text "12  SOLDERMASK BOTH SIDES WITH LIQUID PHOTO IMAGEABLE (LPI), PER" at 173.313,76.27 h1.6
  text "IPC-SM-840C, CLASS T, COLOR: BLUE." at 179.663,73.73 h1.6
  text "13. MINIMUM ANNULAR RING: .025 INTERNAL, .050 EXTERNAL." at 173.313,70.555 h1.6
  text "50% BREAKOUT PERMITTED PROVIDED ELECTRICAL FUNCTION" at 179.663,68.015 h1.6
  text "IS MAINTAINED AND BREAKOUT IS NOT AT JUNCTION." at 179.663,65.475 h1.6
  text "14. VENDOR MAY REMOVE ALL NON FUNCTIONAL PADS FROM THE" at 173.313,62.3 h1.6
  text "INTERNAL SIGNAL LAYERS." at 179.663,59.76 h1.6
  text "15. VENDOR MAY ADD TEARDROP TO INTERNAL SIGNAL LAYERS" at 173.113,56.73 h1.6
  text "AT FUNCTIONAL PAD JUNCTION." at 179.463,54.19 h1.6
  text "16. LOCATE VENDOR MARKINGS AND DATE CODE ON SOLDER SIDE" at 173.113,51.015 h1.6
  text "FREE FROM ANY METAL ENTITY." at 179.463,48.475 h1.6
  text "17. BAREBOARD ELECTRICAL TEST TO BE DONE WITH REFERENCE TO" at 173.113,44.665 h1.6
  text "SUPPLIED NETLIST." at 179.463,42.125 h1.6
  text "18. TEST COUPONS AND SERIALIZATION NOT REQUIRED." at 173.14,39.22 h1.6
  text "19. MUST COMPLY WITH EUROPEAN DIRECTIVE 2002/95/EC (RoHS)." at 172.64,35.72 h1.6
  text "20. DETAILS NOT SPECIFIED ARE AT MANUFACTURER'S OPTION" at 172.505,32.322 h1.6
  text "DWG. NO." at 304.71,31.6 h1.27 r270
  text "R2C2-MINI-FAB" at 301.723,30.44 h2.3 r270
  text "B" at -108.906,13.756 h3.96
  text "REV." at 304.71,-7.77 h1.27 r270
  text "A" at 301.535,-10.31 h2.41 r270
  text "PRIMARY SIDE" at 4.501,-25.623 h1.6
  text "LAYER 1 TOP, 1.5 OZ FINISHED" at 1.367,-33.591 h1.6
  text "CORE" at 1.8,-37.2 h1.6
  text "UNLESS OTHERWISE SPECIFIED" at 171.36,-39.52 h1.27
  text "PROJECT:" at 207.555,-39.52 h1.27
  text "LAYER 2 GND PLANE, 1 OZ" at 1.367,-40.074 h1.6
  text "DIMENSIONS ARE IN MILS." at 171.36,-41.425 h1.27
  text "1.57MM" at -92.627,-42.335 h1.6
  text "PREPREG" at 1.387,-42.959 h1.6
  text "TOLERANCES ARE:" at 171.36,-43.965 h1.27
  text "10%" at -90.627,-45.193 h1.6
  text "FRACTIONS DECIMALS  ANGLES" at 171.995,-46.505 h1.27
  text "LAYER 3 pOWER PLANE, 1 OZ" at 1.367,-46.591 h1.6
  text "APPROVALS" at 210.73,-47.775 h1.27
  text "DATE" at 229.145,-47.775 h1.27
  text "+" at 188.919,-49.081 h1.27
  text "+" at 188.919,-49.081 h1.27
  text ".XX      0.01" at 183.425,-49.68 h1.27
  text "-" at 188.919,-49.68 h1.27
  text "-" at 188.919,-49.68 h1.27
  text "A" at -108.906,-49.743 h3.96
  text "A" at 301.306,-49.743 h3.96
  text "CORE" at 1.8,-50.2 h1.6
  text "O" at 204.38,-50.315 h0.64
  text "O" at 204.38,-50.315 h0.64
  text "DRAWN BY:" at 207.555,-50.315 h1.27
  text "+" at 173.661,-50.986 h1.27
  text "+" at 173.661,-50.986 h1.27
  text "+" at 188.919,-50.98 h1.27
  text "+" at 188.919,-50.98 h1.27
  text "+" at 199.12,-50.986 h1.27
  text "+" at 199.12,-50.986 h1.27
  text "-" at 173.661,-51.585 h1.27
  text "-" at 173.661,-51.585 h1.27
  text "N/A" at 175.805,-51.585 h1.27
  text ".XXX     0.005" at 183.425,-51.585 h1.27
  text "-" at 188.919,-51.58 h1.27
  text "-" at 188.919,-51.58 h1.27
  text "-" at 199.12,-51.585 h1.27
  text "-" at 199.12,-51.585 h1.27
  text "0.5" at 200.57,-51.585 h1.27
  text "TITLE:" at 236.765,-52.22 h1.27
  text "LAYER 4 BOTTOM, 1.5 OZ FINISHED" at 1.367,-53.074 h1.6
  text "8/22/2015" at 225.843,-53.236 h1.27
  text "MATERIAL:" at 171.36,-54.76 h1.27
  text "PWB DRAWING," at 254.426,-56.03 h3.2
  text "CHECKED:" at 207.555,-58.57 h1.27
  text "7" at 178.98,-59.84 h1.91
  text "8" at 187.235,-59.84 h1.91
  text "12" at 196.125,-59.84 h1.91
  text "SECTION A-A" at -47.053,-59.877 h1.6
  text "SECONDARY SIDE" at 6.296,-61.62 h1.6
  text "R2C2-MINI" at 257.024,-61.637 h2.54
  text "SCALE: NONE" at -46.667,-62.173 h1.6
  text "APPROVED:" at 207.555,-64.285 h1.27
  text "(X-SECTION VIEW / 4 LAYER BOARD)" at -62.8,-65.2 h1.6
  text "SIZE:" at 236.765,-65.555 h1.27
  text "DRAWING NO:" at 251.37,-65.555 h1.27
  text "REV:" at 293.915,-65.555 h1.27
  text "FINISH:" at 171.36,-66.825 h1.27
  text "THIRD ANGLE" at 130.72,-69.365 h1.27
  text "ISSUED:" at 207.555,-70 h1.27
  text "PROJECTION" at 131.355,-71.27 h1.27
  text "11" at 186.6,-71.27 h1.91
  text "B" at 238.67,-71.905 h3.2
  text "A" at 295.81,-71.905 h3.2
  text "R2C2-MINI-FAB" at 253.543,-72.143 h3.2
  text "NEXT ASSY" at 145.96,-76.35 h1.27
  text "USED ON" at 159.93,-76.35 h1.27
  text "1/1" at 246.29,-78.255 h1.27
  text "SHEET:   OF" at 283.12,-78.255 h1.27
  text "1" at 290.105,-78.255 h1.27
  text "1" at 298.487,-78.255 h1.27
  text "SCALE:" at 236.511,-78.437 h1.27
  text "APPLICATION" at 150.405,-78.89 h1.27
  text "DO NOT SCALE DRAWING" at 178.98,-78.89 h1.27
  text "8" at -81.599,-84.034 h3.96
  text "7" at -30.799,-84.034 h3.96
  text "6" at 20.001,-84.034 h3.96
  text "5" at 70.801,-84.034 h3.96
  text "4" at 121.601,-84.034 h3.96
  text "3" at 172.401,-84.034 h3.96
  text "2" at 223.201,-84.034 h3.96
  text "1" at 274.001,-84.669 h3.96

## Text inside footprints (layer, text, board x,y; h text height)
J11: Top Overlay "1" at 6.5,49.4 h1.27; Top Overlay "5" at 6.5,40.5 h1.27; Mechanical 13 "PCB edge" at -0.786,35.1 h1.27 r270
J21: Top Overlay "1" at 97.3,8.9 h1 r90
J22: Top Overlay "20" at 1.6,90.5 h1.27 r90; Top Overlay "19" at 11.4,88.3 h1.27 r90; Top Overlay "1" at 11.5,55.8 h1.27 r90; Top Overlay "2" at 2.2,55.2 h1.27 r90
J24: Top Overlay "1" at 97.3,15.9 h1 r90